# Allegro board T736_DEMO_CORE_AXP8191_LP4_4X_32X1_V0_5-draft.brd (continued)
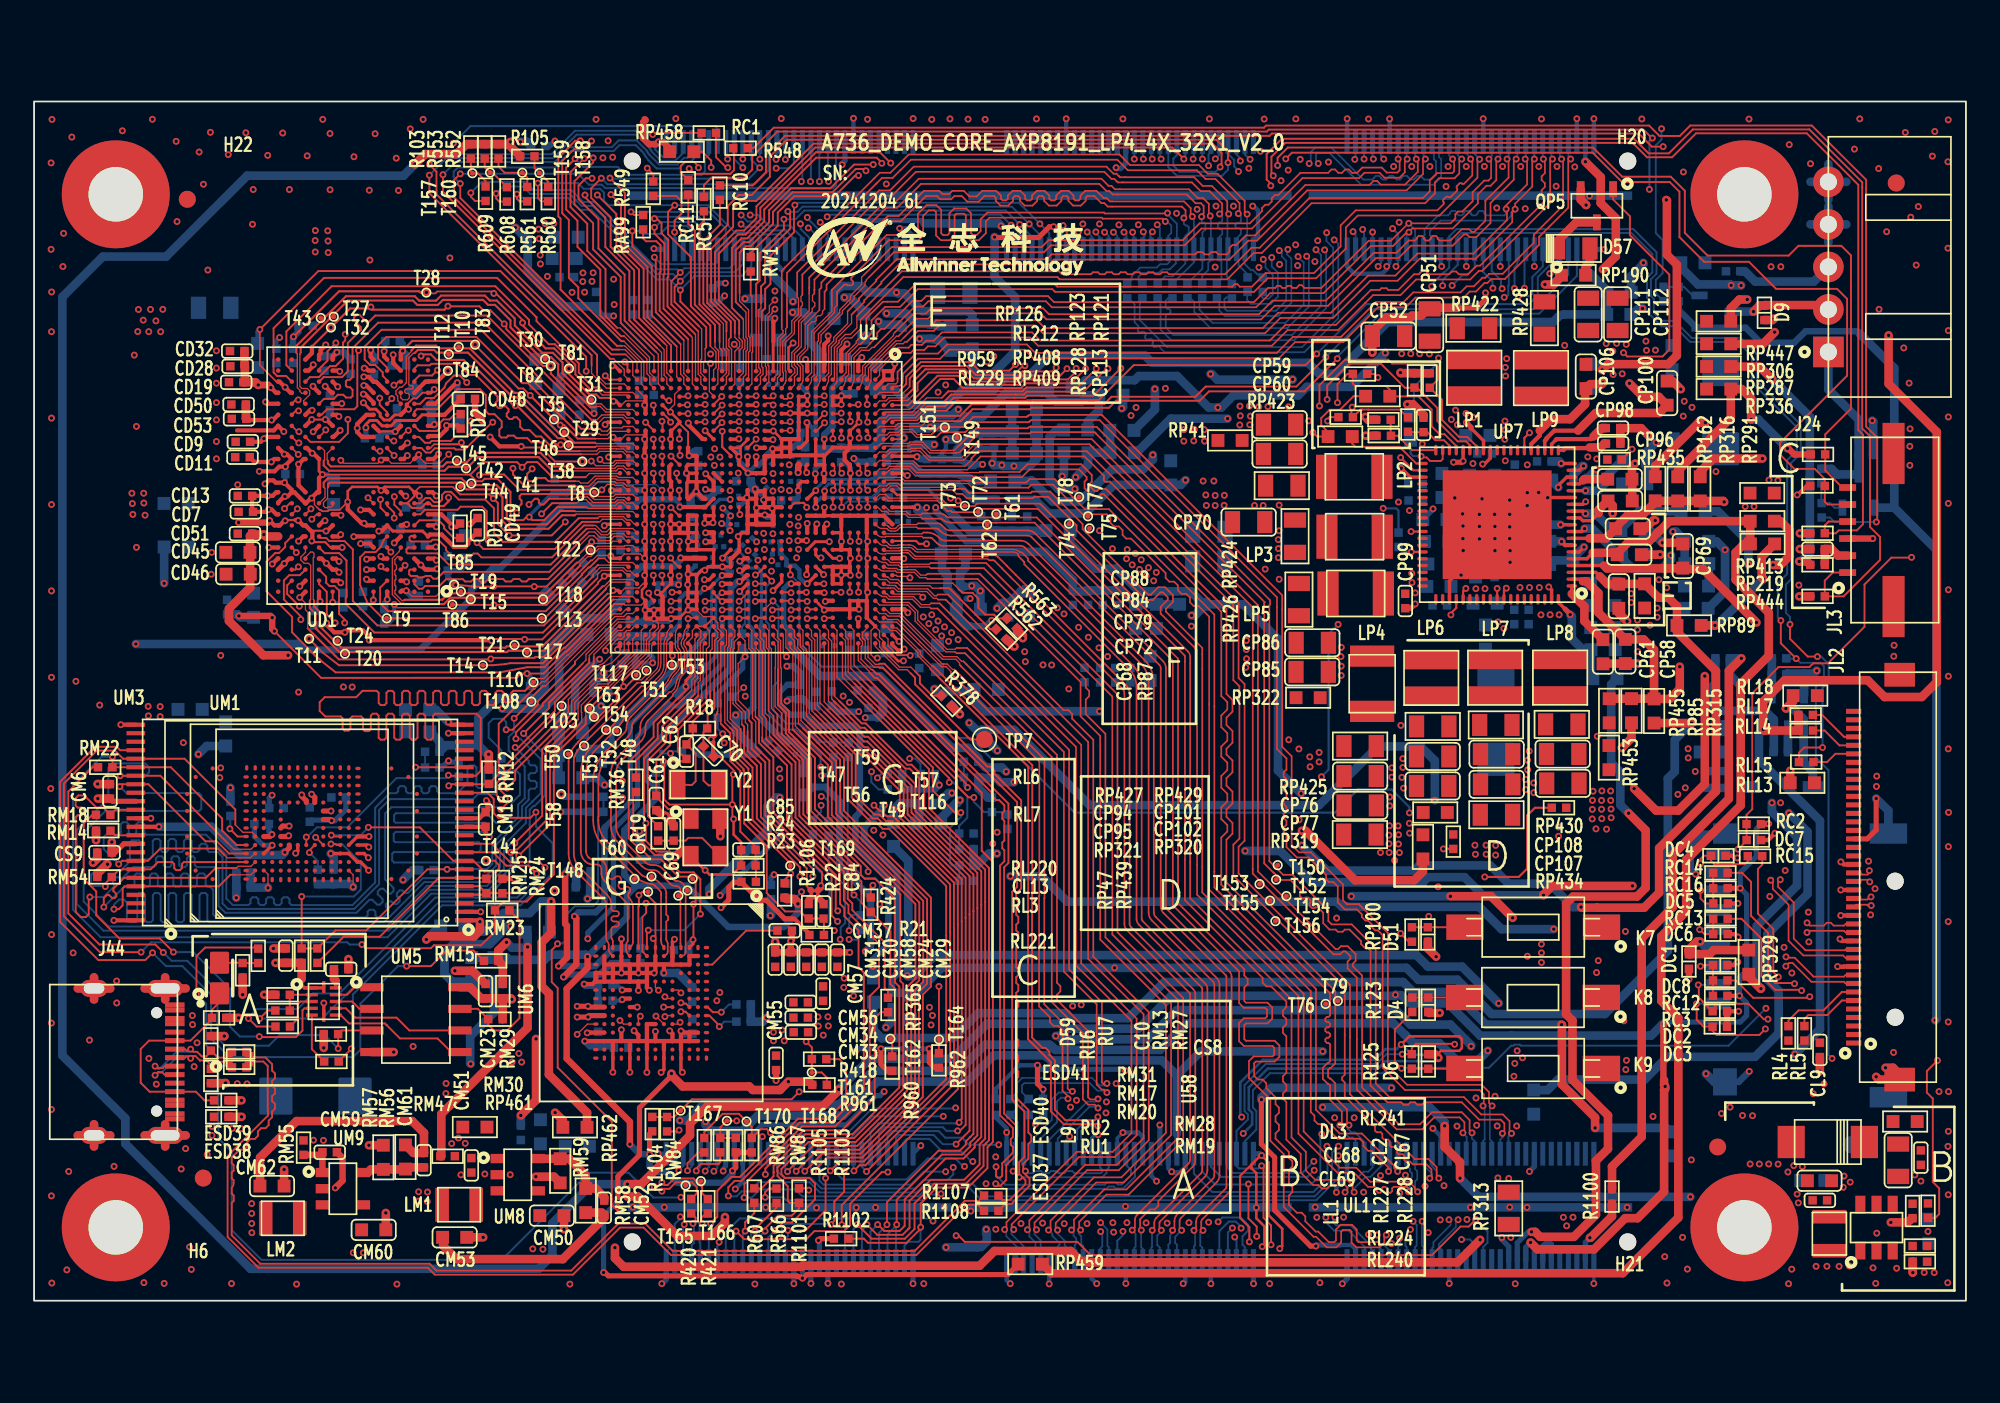
[diagram p0: board, top side]
## Routing (per net, layer and track width the routed paths; a pad name or vN(x,y) marks a point on that pad's centre or on a via; arc(x,y) is an arc through that point) (continued)
SDQ18: length 20.5
  TOP w0.114: v1(36.38,50.65) 36.42,50.61 U1.AJ10 ; v1(21.02,53.04) 21.02,53.01 UD1.V4
  L4 w0.114: v1(36.38,50.65) 35.9,51.12 35.59,51.12 34.2,52.51 33.87,52.51 33.44,52.94 32.78,52.94 31.01,54.71 31.01,54.82 30.11,55.72 23.65,55.72 22.71,54.77 22.03,54.77 21.79,54.53 21.33,54.53 20.78,53.99 20.78,53.2 20.94,53.04 v1(21.02,53.04)
SDQ19: length 16.4
  TOP w0.076: 32.13,49.76 33.07,49.76 33.24,49.93 34.16,49.93 34.17,49.92 34.58,49.92 34.86,49.65 U1.AM11
  TOP w0.114: UD1.U2 22.34,52.26 22.49,52.41 23.69,52.41 24.87,53.59 26.2,53.59 26.54,53.25 26.54,52.29 26.72,52.12 27.05,52.12 27.48,51.69 27.48,51.36 27.34,51.22 27.34,50.85 27.44,50.75 27.75,50.75 27.86,50.86 28.19,50.86 28.34,50.71 28.97,50.71 29.22,50.47 29.79,50.47 30.49,49.76 32.13,49.76 32.13,49.76
SDQ20: length 19.1
  TOP w0.076: U1.AM8 34.89,51.11 33.89,51.11 33.67,50.9 33.28,50.9 33.2,50.97 33.17,50.97
  TOP w0.114: 33.17,50.97 31.98,50.97 29.01,53.94 28.7,53.94 25.99,56.65 20.7,56.65 20.21,56.17 20.21,55.39 20.74,54.85 UD1.AA4
SDQ21: length 21.9
  TOP w0.076: U1.AL8 35.17,51.4 34.63,51.4 34.54,51.31 33.86,51.31 33.67,51.12 33.37,51.12 33.24,51.25
  TOP w0.114: UD1.Y4 20.74,54.11 20.49,54.36 20.49,54.57 20.05,55.01 19.74,55.01 19.42,55.33 19.42,56.09 20.41,57.08 26.26,57.08 29.04,54.3 29.1,54.3 32.15,51.25 33.24,51.25
SDQ22: length 17.9
  TOP w0.114: U1.AH10 36.92,50.61 v1(36.89,50.65) ; v1(23.7,54.71) 23.38,54.39 22.64,54.39 22.34,54.1 UD1.Y2
  L4 w0.076: v1(36.89,50.65) 36.57,50.33 35.74,50.33 35.41,50.65 35.41,50.77
  L4 w0.114: 35.41,50.77 34,52.19 33.54,52.19 33.19,52.53 32.59,52.53 30.72,54.41 30.33,54.41 29.44,55.3 24.29,55.3 v1(23.7,54.71)
SDQ23: length 22
  TOP w0.114: v1(20.31,53.06) 20.31,52.66 20.74,52.23 UD1.U4 ; U1.AJ8 36.42,51.15 v1(35.93,51.64)
  L4 w0.114: v1(35.93,51.64) 35.56,51.64 34.78,52.42 34.78,52.71 34.19,53.3 33.05,53.3 31.8,54.55 31.8,54.95 30.62,56.14 26.74,56.14 26.3,56.57 25.61,56.57 25.19,56.16 22.82,56.16 21.62,54.95 21.16,54.95 20.31,54.11 v1(20.31,53.06)
SDQ24: length 30.4
  TOP w0.114: v1(36.89,51.7) 36.92,51.67 U1.AH8 ; v1(15.52,52.96) 15.51,52.94 15.36,52.94 UD1.V11
  L4 w0.076: v1(36.89,51.7) 36.89,52.97 36.85,53.01 36.85,53.34 36.83,53.36
  L4 w0.114: v1(15.52,52.96) 15.52,55.85 17.66,57.99 21.4,57.99 21.75,58.34 23.49,58.34 24,58.85 29.34,58.85 31.97,58.22 32.42,58 35.13,55.29 35.13,55.06 35.83,54.36 36.83,53.36
SDQ25: length 25.2
  TOP w0.076: 32.97,51.54 33.1,51.54 33.48,51.92 34.58,51.92 34.86,51.65 U1.AM7
  TOP w0.114: 32.97,51.54 32.39,51.54 26.43,57.5 20.22,57.5 18.71,55.99 18.71,54.3 18.55,54.14 18.41,54.14 18.32,54.05 18.32,53.79 18.41,53.71 18.56,53.71 18.71,53.55 18.71,53.18 18.62,53.09 18.33,53.09 18.17,53.26 17.85,53.26 17.6,53.02 17.03,53.02 UD1.V9
SDQ26: length 25.4
  TOP w0.076: 32.97,51.79 33.07,51.79 33.36,52.07 34.64,52.07 34.82,51.9 35.17,51.9 U1.AL7
  TOP w0.114: 32.97,51.79 32.74,51.79 26.61,57.92 20.04,57.92 19.68,57.56 19.52,57.56 19.12,57.96 18.96,57.96 18.79,57.8 18.79,57.64 19.2,57.23 19.2,57.07 18.43,56.31 18.43,54.63 18.1,54.3 17.82,54.3 17.01,54.3 UD1.Y9
SDQ27: length 28.7
  TOP w0.114: v1(17.73,56.31) 17.24,55.81 17.24,55.27 16.74,54.77 UD1.AA9 ; U1.AF10 37.92,49.73 v1(37.95,49.7)
  L4 w0.076: 35.49,52.52 35.75,52.27 36.02,52.27 36.4,51.88 36.4,51.5 36.71,51.19 37.85,51.19 38.25,50.78 38.25,50.29 37.95,49.99 v1(37.95,49.7)
  L4 w0.114: 35.49,52.52 35.49,53.05 34.51,54.03 33.35,54.03 33.1,54.29 33.1,55.12 32.52,55.69 32.25,55.69 30.96,56.97 27.09,56.97 26.64,57.43 25.24,57.43 24.87,57.05 22.43,57.05 22.07,56.7 19.13,56.7 18.45,56.02 18.17,56.02 17.89,56.31 v1(17.73,56.31)
SDQ28: length 29.1
  TOP w0.114: U1.AF8 37.92,50.67 v1(37.91,50.66) ; UD1.U9 16.89,52.08 17.21,52.41 18.81,52.41 18.99,52.59 18.99,55.8 v1(19.06,55.87)
  L4 w0.076: v1(37.91,50.66) 37.59,50.98 36.63,50.98 36.25,51.36 36.25,51.78 35.99,52.04 35.61,52.04 35.44,52.21
  L4 w0.114: 35.44,52.21 35.13,52.52 35.13,52.9 34.39,53.64 33.23,53.64 32.8,54.07 32.8,54.82 32.58,55.04 32.3,55.04 30.79,56.56 26.92,56.56 26.48,56.99 25.44,56.99 25.02,56.57 22.59,56.57 22.28,56.26 19.46,56.26 v1(19.06,55.87)
SDQ29: length 26.8
  TOP w0.076: 33.16,53.47 33.38,53.25 34.83,53.25 U1.AM4
  TOP w0.114: UD1.AA11 14.82,55 14.82,56.98 17.48,59.64 27.1,59.64 29.08,57.66 29.08,57.39 30.24,56.23 30.59,56.23 31.8,55.02 31.8,54.46 32.79,53.47 33.16,53.47
SDQ30: length 30.9
  TOP w0.114: U1.AH6 36.97,52.15 37.4,51.72 v1(37.4,51.65) ; UD1.U11 15.38,52.31 v1(15.54,52.31)
  L4 w0.076: v1(37.4,51.65) 37.11,51.36 36.77,51.36 36.57,51.56 36.57,51.95 36.7,52.07 36.7,52.52 36.7,52.78 36.68,52.8 36.68,52.83 36.2,53.31
  L4 w0.114: 36.2,53.31 35.2,54.31 35.19,54.31 34.98,54.52 34.37,55.02 34.32,55.06 34.32,55.11 33.18,56.26 31.32,57.81 29.56,57.81 29.09,58.29 24.89,58.29 24.5,57.89 22,57.89 21.68,57.57 18.44,57.57 18.43,57.56 18.37,57.56 17.39,56.58 16.99,56.58 16.61,56.19 15.94,54.93 15.94,52.78 15.93,52.78 15.93,52.71 v1(15.54,52.31)
SDQ31: length 29.8
  TOP w0.076: U1.AL4 35.17,53.4 33.52,53.4 33.23,53.69
  TOP w0.114: 33.23,53.69 32.88,53.69 32,54.57 32,55.11 29.52,57.59 29.52,57.82 27.21,60.13 17.03,60.13 14.07,57.17 14.07,54.57 14.28,54.36 14.81,54.36 UD1.Y11
SDQM0: length 28.1
  TOP w0.114: U1.AJ26 36.42,42.61 v1(36.38,42.65) ; UD1.C10 15.62,42.66 14.99,42.66 14.68,42.34 14.68,41.23 15.67,40.23 v1(15.67,40.04)
  L4 w0.076: v1(36.38,42.65) 36.05,42.32 35.83,42.32 35.82,42.31
  L4 w0.114: 35.82,42.31 33.21,39.71 31.97,39.71 30.6,38.35 26.83,38.35 26.72,38.46 20.67,38.46 20.26,38.05 19.11,38.05 17.89,38.52 17.08,38.78 15.91,39.95 15.77,39.95 v1(15.67,40.04)
SDQM1: length 17.9
  TOP w0.102: UD1.C3 v1(21.8,43.23)
  TOP w0.114: v1(36.89,44.65) 36.92,44.61 U1.AH22
  L4 w0.076: 35.31,44.18 36.42,44.18 v1(36.89,44.65)
  L4 w0.114: 35.31,44.18 34.13,42.99 33.35,42.99 32.46,42.1 30.37,42.1 29.89,41.62 23.41,41.62 v1(21.8,43.23)
SDQM2: length 20.1
  TOP w0.114: v1(37.42,49.65) 37.92,49.15 U1.AF12 ; v1(21.14,53.83) 21.21,53.83 21.42,54.03 UD1.Y3
  L4 w0.076: 35.49,50.26 35.59,50.16 36.91,50.16 v1(37.42,49.65)
  L4 w0.114: 35.49,50.26 33.86,51.89 33.22,51.89 33.02,51.68 32.85,51.68 30.55,53.99 30.15,53.99 29.44,54.7 26.71,54.7 26.56,54.55 24.72,54.55 24.28,54.11 22.02,54.11 21.74,53.83 v1(21.14,53.83)
SDQM3: length 25.7
  TOP w0.114: UD1.Y10 16.21,54.3 16.74,54.3 17.39,54.95 17.72,54.95 18.15,55.38 18.15,56.33 18.28,56.46 v1(18.28,56.82) ; v1(36.38,52.65) 36.42,52.61 U1.AJ6
  L4 w0.114: v1(18.28,56.82) 18.62,57.15 21.85,57.15 22.17,57.47 24.67,57.47 25.07,57.87 28.92,57.87 29.39,57.39 31.14,57.39 32.38,56.15 32.65,56.15 33.54,55.26 33.54,54.87 34.04,54.37 34.66,54.37 v1(36.38,52.65)
SDQS0N: length 26.3
  TOP w0.076: UD1.E10 15.94,43.99 15.68,43.72 15.68,43.55 15.87,43.36 16.12,43.36 16.25,43.22 16.25,41.23 16.2,41.17 16.2,41.16 ; 33.59,41.83 33.6,41.83 33.6,41.9 33.95,42.25 34.83,42.25 U1.AM26
  TOP w0.127: 33.59,41.83 29.98,38.21 28.96,38.21 ; 16.2,41.16 16.2,40.72 16.54,40.38 16.54,39.53 17.94,38.14 18.27,38.14 ; 18.27,38.14 T20.1 ; 18.27,38.14 27.8,38.14 27.87,38.21 28.96,38.21 ; 28.96,38.21 T17.1
SDQS0P: length 26.3
  TOP w0.076: 16.45,41.16 16.45,41.17 16.4,41.23 16.4,43.67 16.44,43.71 16.44,43.94 16.37,44.01 16.25,44.01 15.94,43.71 UD1.D10 ; U1.AL26 35.17,42.4 33.89,42.4 33.67,42.18 33.49,42.01 33.41,42.01
  TOP w0.127: T21.1 28.23,38.47 ; 28.23,38.47 29.87,38.47 33.41,42.01 ; 28.23,38.47 28.22,38.47 27.77,38.47 27.69,38.39 18.04,38.39 17.74,38.7 ; 16.45,41.16 16.45,40.82 16.8,40.48 16.8,39.64 17.74,38.7 ; 17.74,38.7 T24.1
SDQS1N: length 18.7
  TOP w0.076: 32.07,43.21 32.08,43.22 32.08,43.29 32.54,43.75 32.72,43.75 33.17,44.2 34.87,44.2 U1.AM22 ; UD1.E3 21.44,44.04 21.05,43.64 21.05,41.51 21.56,41 21.71,41 21.76,40.95 21.77,40.95
  TOP w0.127: 25.66,41.33 25.66,41.33 29.9,41.33 ; 25.66,41.33 24.46,41.33 24.08,40.95 21.77,40.95 ; 25.66,41.33 T15.1 ; 29.9,41.33 T18.1 ; 29.9,41.33 30.19,41.33 31.64,42.78 32.07,43.21
SDQS1P: length 18.7
  TOP w0.076: 32.78,44.05 T22.1 ; 32.78,44.05 32.8,44.05 33.1,44.35 34.68,44.35 34.73,44.4 35.17,44.4 U1.AL22 ; 32.78,44.05 32.78,44.03 32.65,43.9 32.48,43.9 31.97,43.4 31.9,43.4 31.89,43.39 ; 21.77,41.21 21.75,41.21 21.77,41.19 21.73,41.16 21.62,41.16 21.2,41.58 21.2,41.75 21.25,41.79 21.25,42.01 21.2,42.06 21.2,42.35 21.26,42.4 21.26,42.62 21.2,42.67 21.2,42.92 21.29,43.01 21.29,43.23 21.2,43.32 21.2,43.58 21.37,43.74 21.43,43.74 UD1.D3
  TOP w0.127: T19.1 25.08,41.58 ; 25.08,41.58 24.36,41.58 23.98,41.21 21.77,41.21 ; 25.08,41.58 25.55,41.58 25.56,41.58 30.09,41.58 31.89,43.39
SDQS2N: length 19.8
  TOP w0.076: 32.97,50.44 33.02,50.39 34.81,50.39 34.82,50.4 35.03,50.4 35.04,50.39 35.18,50.39 U1.AL10 ; UD1.V3 21.37,52.91 21.37,53.19 21.26,53.29 21.26,53.49 21.49,53.71 21.62,53.71 21.87,53.97 21.87,55.51 22.17,55.8 22.17,55.88 22.18,55.89
  TOP w0.127: 22.18,55.89 22.44,56.15 23.61,56.15 23.77,55.99 24.95,55.99 ; 31.15,50.96 31.22,50.96 31.57,50.6 31.57,50.6 31.74,50.44 32.97,50.44 ; 31.15,50.96 30.88,50.96 28.47,53.37 28.22,53.37 25.6,55.99 24.95,55.99 ; 31.15,50.96 T29.1 ; T10.1 24.95,55.99
SDQS2P: length 19.8
  TOP w0.076: U1.AM10 34.83,50.24 33.03,50.24 32.98,50.19 32.97,50.19 ; 22.36,55.71 22.35,55.7 22.28,55.7 22.02,55.44 22.02,53.85 22.07,53.8 22.22,53.8 22.27,53.76 22.27,53.65 22.22,53.6 21.86,53.6 21.78,53.53 21.78,53.43 21.86,53.35 21.97,53.35 22.05,53.27 22.05,53.08 21.94,52.97 21.66,52.97 21.54,53.08 UD1.W3
  TOP w0.127: 31.47,50.35 31.11,50.71 30.78,50.71 28.37,53.12 28.33,53.12 28.11,53.12 25.49,55.74 24.36,55.74 ; 31.47,50.35 T46.1 ; 31.47,50.35 31.63,50.19 32.97,50.19 ; 24.36,55.74 23.67,55.74 23.51,55.89 22.55,55.89 22.36,55.71 ; 24.36,55.74 T12.1
SDQS3N: length 28.2
  TOP w0.076: 32.97,52.53 32.99,52.53 33.03,52.58 33.26,52.58 33.59,52.25 34.83,52.25 U1.AM6 ; 15.66,55.74 15.66,55.73 15.64,55.7 15.64,55.64 15.62,55.62 15.62,53.74 15.73,53.63 16.05,53.63 16.19,53.48 16.19,53.26 15.84,52.91 15.84,52.78 15.89,52.73 UD1.V10
  TOP w0.127: T27.1 17.55,57.91 ; 17.55,57.91 15.66,56.03 15.66,55.74 ; 17.55,57.91 18.43,58.8 22.26,58.8 22.52,58.54 23.72,58.54 24.02,58.84 26.38,58.84 26.67,58.54 27.08,58.54 27.99,57.64 27.99,57.22 29.75,55.47 30.03,55.47 ; 30.03,55.47 30.37,55.47 30.79,55.05 30.79,54.42 32.69,52.53 32.97,52.53 ; 30.03,55.47 T30.1
SDQS3P: length 28.3
  TOP w0.076: U1.AL6 35.17,52.4 33.65,52.4 33.32,52.73 33.03,52.73 32.98,52.78 32.97,52.78 ; UD1.W10 15.9,53.34 15.73,53.34 15.62,53.45 15.62,53.52 15.47,53.68 15.47,55.66 15.41,55.72 15.41,55.74
  TOP w0.127: 32.67,52.9 31.05,54.53 31.05,55.16 30.48,55.72 29.85,55.72 28.25,57.33 28.25,57.74 27.19,58.8 26.78,58.8 26.49,59.09 23.92,59.09 23.62,58.79 22.63,58.79 22.37,59.05 18.33,59.05 16.95,57.67 16.95,57.67 ; 32.67,52.9 32.79,52.78 32.97,52.78 ; 32.67,52.9 T31.1 ; 16.95,57.67 T43.1 ; 16.95,57.67 16.95,57.67 15.41,56.14 15.41,55.74
SPI0-CLK: length 25
  TOP w0.114: RM18.1 3.44,28.57 2.92,28.05 2.92,24.79 3.65,24.06 3.65,22.66 5.01,21.3 7.39,21.3 v1(8.19,20.5) ; v1(13.24,15.53) 13.26,15.5 15.39,15.5 15.77,15.88 15.77,17.08 15.88,17.19 U58.4
  BOTTOM w0.114: v1(8.19,20.5) 9.36,20.5 11.52,18.33 11.52,16.1 12.09,15.53 v1(13.24,15.53)
SPI0-CS0: length 2.2
  TOP w0.114: RM17.1 RM31.1 15.03,17.99 U58.2
SPI0-HOLD: length 11.1
  TOP w0.114: RM23.1 28.52,22.36 28.52,16.61 27.8,15.89 27.02,15.89 26.68,16.22 RM30.1 26.07,17.16 UM5.7
SPI0-MISO: length 2.4
  TOP w0.114: RM20.1 15.48,16.56 15.48,17.42 15.65,17.59 U58.3
SPI0-MOSI: length 3
  TOP w0.114: RM19.1 16.32,14.79 U58.5
SPI0-NAND-CLK: length 7.8
  TOP w0.114: UM5.6 22.05,15.89 21.3,16.64 18.87,16.64 18.32,17.19 U58.8
SPI0-NAND-CS0: length 2.3
  TOP w0.114: U58.10 18.39,17.99 18.83,18.43 UM5.1
SPI0-NAND-MISO: length 2.3
  TOP w0.114: U58.9 18.69,17.59 19.12,17.16 UM5.2
SPI0-NAND-MOSI: length 8.2
  TOP w0.114: UM5.5 24.51,14.62 23.71,15.42 21.5,15.42 20.72,16.2 20.72,16.2 20.62,16.3 18.51,16.3 18.02,16.79 U58.7
SPI0-WP: length 33.7
  TOP w0.114: v1(7.59,20.47) 7.12,20.94 3.84,20.94 2.01,22.77 2.01,29.93 3.44,31.36 RM22.1 ; v1(17.87,14.83) RM28.1 18.08,15.89 UM5.3
  BOTTOM w0.114: v1(7.59,20.47) 8.09,19.98 9.01,19.98 10.78,18.21 10.78,15.43 11.22,14.99 13.8,14.99 14.43,15.62 17.08,15.62 v1(17.87,14.83)
SRST: length 24.2
  TOP w0.076: 32.65,47.67 33.14,48.16 34.12,48.16 34.21,48.07 34.64,48.07 34.82,47.9 35.17,47.9 U1.AL15
  TOP w0.102: v1(15.56,51.09) 15.49,51.09 UD1.T11
  TOP w0.114: v1(26.17,48.54) 26.21,48.57 27.61,48.57 28.52,47.67 32.65,47.67
  L4 w0.114: v1(15.56,51.09) 15.13,50.66 15.13,49.05 15.37,48.81 16.24,48.81 16.37,48.94 25.12,48.94 25.52,48.54 v1(26.17,48.54)
SWOUT1: length 62.6
  TOP w0.203: v1(83.96,49.36) 83.96,49.36 UP7.34
  TOP w0.305: v1(83.96,49.36) 83.93,49.36 83.86,49.29 v1(83.4,49.29)
  TOP w0.508: v1(89.74,16.23) 89.76,16.21 89.76,12.72 91.71,10.77 v1(91.71,10.16)
  BOTTOM w0.508: v1(63.9,52.46) 63.98,52.54 RP339.1 ; RP308.1 95.89,10.16 v1(91.71,10.16) ; v1(100.29,59.69) 100.28,59.7 v1(99.71,59.7) 99.66,59.75 97.76,59.75 96.77,60.73 RP305.1 ; RP337.1 49.32,15.9 49.79,15.43 50.3,15.43 50.31,15.45 54,15.45 55.46,16.91 60.62,16.91 60.91,16.62 64.28,16.62 66.4,18.73 80.43,18.73 81.02,18.15 83.38,18.15 85.3,16.23 v1(89.74,16.23)
  vias: v1(53.11,53.41) v1(53.56,53.84) v1(96.95,52.88) v1(97.4,52.52) v1(100.37,10.89) v1(100.96,10.88)
SWOUT2: length 1.1
  TOP w0.203: v1(85.11,49.19) 85.21,49.19 85.56,49.53 UP7.30
  vias: v1(56,55.19) v1(56.38,55.52) v1(84.54,49.22) v1(86,7.22) v1(86.64,7.19) v1(95.46,42.38) v1(95.92,41.92)
UFS-CLK-AP: length 2.3
  TOP w0.076: U1.AJ33 36.28,38.51 36.28,37.89 35.93,37.53 35.93,37.53 35.69,37.29 T117.1
UFS-CLK-DV: length 14.1
  TOP w0.114: v1(39.14,22.73) 39.15,22.74 39.15,24.78 38.75,25.19 37.94,25.19 37.08,26.05 37.08,26.05 36.93,26.2 36.47,26.2 35.67,27 35.65,27 35.2,27.45 35.2,29.74 RM36.2 ; UM6.H1 36.01,21.7 v1(36.09,21.78)
  BOTTOM w0.114: v1(39.14,22.73) 38.19,21.78 v1(36.09,21.78)
UFS-REXT: length 8.9
  TOP w0.114: U1.AD30 38.47,40.15 v1(38.42,40.1)
  BOTTOM w0.114: RM3.2 33.73,36.36 33.92,36.55 33.92,38.52 34.03,38.62 37.63,38.62 38.42,39.41 v1(38.42,40.1)
UFS-RST-N: length 34.5
  TOP w0.102: v1(35.95,23.37) 35.96,23.36 35.96,22.79 35.74,22.57 35.74,20.52 UM6.H2
  TOP w0.114: U1.AF29 37.47,40.65 v1(37.42,40.61)
  L4 w0.114: v1(35.95,23.37) 34.31,23.37 33.5,24.19 31.2,24.19 30.81,24.58 30.81,25.76 33.03,27.98 33.03,33.12 35.56,35.65 35.56,38.06 37.08,39.58 37.08,40.27 v1(37.42,40.61)
  BOTTOM w0.114: RM41.2 37.58,20.13 37.3,19.85 RM37.1 35.62,19.85 RM38.1 35.62,22.45 35.96,22.79 35.96,23.38 T120.1 v1(35.95,23.37)
UFS-RX0-N: length 22.9
  TOP w0.076: 36.05,35.7 36.07,35.71 36.07,35.79 arc(36.08,35.83) 36.1,35.87 36.84,36.61 arc(37.08,36.96) 37.16,37.38 37.16,38.66 37.22,38.83 37.24,38.86 37.35,38.97 arc(37.4,39.05) U1.AG32
  TOP w0.102: 34.17,33.57 34.24,33.64 arc(34.4,33.82) 34.53,34.02 34.61,34.15 arc(34.72,34.33) 34.85,34.49 arc(34.85,34.5) 34.86,34.5 36.05,35.7 ; 34.17,33.57 33.98,33.38 33.98,33.37 33.01,32.4 arc(32.58,31.76) 32.43,31 32.43,26.44 arc(32.46,26.24) 32.57,26.07 32.58,26.06 arc(32.71,25.98) 32.85,25.95 33.09,25.95 arc(33.29,25.91) 33.46,25.79 arc(33.59,25.6) 33.64,25.36 33.64,25.12 arc(33.66,25.02) 33.71,24.93 33.8,24.84 arc(33.93,24.78) 34.07,24.82 arc(34.11,24.86) 34.14,24.9 arc(34.44,24.9) 34.44,24.6 arc(34.39,24.56) 34.35,24.5 arc(34.4,24.25) 34.66,24.27 34.68,24.28 arc(34.97,24.28) 34.97,24 34.95,23.98 arc(34.89,23.84) 34.95,23.69 arc(35.12,23.43) 35.18,23.13 35.18,21.1 arc(35.16,20.95) 35.08,20.83 UM6.K1 ; 34.17,33.57 34.17,33.57 ; 34.17,33.57 34.17,33.57 ; T48.1 34.17,33.57
UFS-RX0-P: length 22.9
  TOP w0.076: U1.AG31 37.19,39.29 37.17,39.25 37.17,39.25 37.17,39.09 37.14,39.01 37.1,38.97 37.01,38.68 37.01,37.38 arc(36.94,37.02) 36.73,36.72 35.96,35.95 arc(35.94,35.93) 35.91,35.92 35.85,35.92 35.84,35.91
  TOP w0.102: UM6.K2 34.92,20.35 arc(34.81,20.51) 34.78,20.69 34.78,20.88 arc(34.79,20.96) 34.82,21.04 arc(34.86,21.09) 34.88,21.15 arc(34.88,21.17) 34.88,21.19 34.88,23.13 arc(34.84,23.32) 34.74,23.48 33.5,24.72 arc(33.37,24.9) 33.33,25.11 33.33,25.36 arc(33.31,25.48) 33.24,25.58 arc(33.17,25.63) 33.09,25.64 32.85,25.64 arc(32.59,25.69) 32.37,25.84 arc(32.19,26.12) 32.12,26.44 32.12,31 arc(32.3,31.88) 32.79,32.62 33.67,33.5 33.67,33.51 ; 35.84,35.91 34.66,34.73 arc(34.64,34.71) 34.62,34.69 arc(34.47,34.5) 34.34,34.3 34.27,34.18 arc(34.16,34.01) 34.02,33.86 33.67,33.51 33.67,33.51 ; 33.67,33.51 T52.1
UFS-RX1-N: length 22.8
  TOP w0.076: 35.67,36.13 35.8,36.13 36.7,37.03 arc(36.71,37.04) 36.71,37.05 arc(36.8,37.27) 36.83,37.5 36.83,38.91 arc(36.85,39.04) U1.AH32
  TOP w0.102: 35.67,36.13 32.25,32.7 32.25,32.69 ; 32.25,32.69 32.24,32.68 32.08,32.51 arc(31.89,32.28) 31.76,32.01 31.76,32 arc(31.76,32) 31.76,32 arc(31.75,31.98) 31.74,31.96 31.74,31.96 arc(31.72,31.83) 31.71,31.69 31.71,26.3 arc(31.8,25.85) 32.06,25.47 33.68,23.84 arc(33.85,23.58) 33.91,23.28 33.91,23.06 arc(33.96,22.95) 34.07,22.9 34.21,22.9 arc(34.37,22.75) 34.21,22.6 34.07,22.6 arc(33.91,22.45) 34.07,22.29 34.21,22.29 arc(34.37,22.14) 34.21,21.99 34.07,21.99 arc(33.96,21.95) 33.91,21.84 33.91,21.35 arc(33.92,21.32) 33.93,21.29 arc(33.94,21.27) 33.95,21.26 arc(33.99,21.2) 34.01,21.13 UM6.M1 ; 32.25,32.69 T55.1
UFS-RX1-P: length 22.8
  TOP w0.076: U1.AH31 36.93,39.62 36.85,39.51 36.79,39.44 36.72,39.34 36.67,39.19 36.67,37.5 arc(36.65,37.31) 36.58,37.13 36.02,36.57 36.02,36.57 36.02,36.56 35.78,36.32 35.44,36.32
  TOP w0.102: 31.47,32.1 T50.1 ; 31.47,32.1 31.47,32.11 31.47,32.11 arc(31.63,32.44) 31.86,32.73 31.94,32.81 31.94,32.83 35.44,36.32 ; 31.47,32.1 31.46,32.09 arc(31.46,32.07) 31.45,32.05 31.45,32.04 arc(31.42,31.87) 31.41,31.69 31.41,26.3 arc(31.52,25.73) 31.84,25.25 33.47,23.63 arc(33.57,23.47) 33.61,23.28 33.61,21.35 arc(33.62,21.24) 33.67,21.14 arc(33.74,21.03) 33.76,20.91 33.76,20.68 arc(33.79,20.52) 33.88,20.39 UM6.M2
UFS-TX0-N: length 22.9
  TOP w0.076: 37.09,35.93 37.1,35.94 37.1,36.05 37.18,36.12 arc(37.18,36.13) 37.19,36.14 37.38,36.39 37.41,36.45 arc(37.53,36.67) 37.69,36.86 37.74,36.91 arc(37.94,37.21) 38.01,37.56 38.01,38.04 arc(37.97,38.21) 37.88,38.34 arc(37.84,38.4) 37.83,38.47 37.83,38.91 arc(37.83,38.95) 37.84,38.99 arc(37.85,39.03) 37.86,39.06 arc(37.89,39.11) U1.AF32
  TOP w0.102: T59.1 36.24,24.8 ; 36.24,24.8 36.24,24.8 arc(36.48,24.76) 36.69,24.62 37,24.31 arc(37.1,24.15) 37.14,23.96 37.14,23.72 37.14,23.72 37.14,22.7 37.25,22.59 37.25,22.39 37.14,22.29 37.14,21.27 arc(37.14,21.25) 37.14,21.24 arc(37.15,21.19) 37.17,21.14 arc(37.22,21.07) 37.23,21 37.23,20.53 arc(37.21,20.44) 37.16,20.37 37.06,20.26 UM6.F2 ; 36.24,24.8 arc(36.19,24.81) 36.15,24.82 35.79,24.96 arc(35.74,24.99) 35.69,25.03 34.13,26.59 33.63,27 33.46,27.22 arc(33.41,27.3) 33.36,27.37 arc(33.21,27.8) 33.15,28.24 33.15,28.24 33.15,30.61 33.16,30.63 arc(33.16,30.64) 33.16,30.65 33.16,30.74 arc(33.36,31.45) 33.78,32.05 34.9,33.17 arc(35.06,33.41) 35.11,33.69 35.12,33.69 arc(35.16,33.93) 35.3,34.14 37.09,35.93
UFS-TX0-P: length 23
  TOP w0.076: 36.88,36.14 36.89,36.16 37,36.16 37.06,36.23 arc(37.07,36.23) 37.07,36.23 37.25,36.47 37.27,36.51 arc(37.4,36.75) 37.58,36.97 37.63,37.02 arc(37.79,37.27) 37.85,37.56 37.85,38.04 arc(37.83,38.15) 37.77,38.24 arc(37.7,38.35) 37.67,38.47 37.67,39.16 arc(37.72,39.38) 37.85,39.57 U1.AF31
  TOP w0.102: 35.37,24.89 35.4,24.89 35.47,24.81 arc(35.57,24.74) 35.68,24.68 36.04,24.54 arc(36.14,24.51) 36.24,24.5 36.24,24.5 arc(36.37,24.47) 36.48,24.4 36.78,24.1 arc(36.82,24.03) 36.84,23.96 36.84,23.85 36.84,23.84 36.84,23.84 36.84,21.27 36.84,21.17 arc(36.88,20.95) UM6.F1 ; 35.37,24.89 35.37,24.92 33.93,26.36 33.41,26.79 33.22,27.03 arc(33.15,27.13) 33.09,27.23 arc(32.91,27.72) 32.85,28.24 32.85,30.63 32.85,30.66 arc(32.85,30.67) 32.85,30.67 32.86,30.77 arc(33.08,31.58) 33.56,32.27 34.68,33.38 arc(34.78,33.53) 34.81,33.69 arc(34.88,34.05) 35.08,34.35 36.88,36.14 ; 35.37,24.89 T47.1
UFS-TX1-N: length 22.9
  TOP w0.076: 37.52,35.55 37.53,35.57 37.53,35.67 37.71,35.85 arc(37.78,35.97) 37.83,36.1 37.93,36.47 arc(37.99,36.63) 38.1,36.77 38.16,36.84 arc(38.31,37.06) 38.37,37.33 38.37,38.09 arc(38.34,38.25) 38.28,38.41 arc(38.27,38.43) 38.24,38.46 arc(38.19,38.53) 38.17,38.62 38.17,38.67 arc(38.19,38.74) 38.23,38.8 arc(38.32,38.91) 38.38,39.04 arc(38.4,39.07) 38.41,39.1 arc(38.42,39.12) U1.AE32
  TOP w0.102: T116.1 38.28,24.12 ; 38.28,24.12 38.28,20.51 arc(38.21,20.33) 38.04,20.26 UM6.D2 ; 38.28,24.12 38.28,24.14 arc(38.12,24.52) 37.75,24.68 37.72,24.68 arc(37.65,24.69) 37.59,24.73 36.91,25.41 arc(36.69,25.56) 36.42,25.62 36.27,25.62 arc(36.09,25.65) 35.93,25.76 34.47,27.22 arc(34.27,27.52) 34.2,27.88 34.2,31.02 arc(34.27,31.4) 34.49,31.72 35.65,32.89 arc(35.85,33.19) 35.92,33.53 35.92,33.73 arc(35.96,33.94) 36.08,34.11 37.52,35.55
UFS-TX1-P: length 22.9
  TOP w0.076: U1.AE31 38.35,39.57 arc(38.22,39.38) 38.17,39.15 38.17,39.13 arc(38.16,39.02) 38.12,38.91 arc(38.12,38.91) 38.12,38.91 arc(38.05,38.8) 38.02,38.67 38.02,38.62 arc(38.05,38.47) 38.14,38.35 38.15,38.33 arc(38.2,38.22) 38.21,38.09 38.21,37.33 arc(38.17,37.12) 38.05,36.95 37.99,36.88 arc(37.86,36.71) 37.78,36.51 37.68,36.14 arc(37.64,36.04) 37.59,35.95 37.42,35.78 37.32,35.78 37.3,35.77
  TOP w0.102: 37.98,23.81 37.98,21 arc(37.98,20.94) 37.98,20.88 arc(37.99,20.82) UM6.D1 ; 37.98,23.81 37.98,24.14 arc(37.91,24.31) 37.75,24.37 37.73,24.37 arc(37.54,24.41) 37.38,24.52 36.7,25.2 arc(36.57,25.28) 36.42,25.31 36.27,25.31 arc(35.97,25.37) 35.72,25.54 34.25,27.01 arc(33.99,27.41) 33.89,27.88 33.89,31.02 arc(33.99,31.52) 34.27,31.94 35.44,33.11 arc(35.57,33.3) 35.62,33.53 35.62,33.73 arc(35.68,34.05) 35.87,34.33 37.3,35.77 ; 37.98,23.81 T49.1
UFS-VCCQ:
  vias: v1(47.59,18.96) v1(47.57,18.42) v1(48.15,17.92) v1(48.22,18.49)
UFS-VCCQ2: length 3.3
  TOP w0.254: v1(34.55,18.26) UM6.K6 ; UM6.K7 34.61,17.76 v1(34.55,17.7)
  TOP w0.508: v1(30.61,11.06) 31.07,10.6 RP462.2
  BOTTOM w0.254: CM54.1 34.26,18.56 v1(34.55,18.26) ; v1(34.55,17.7) 34.49,17.64 CM32.1
  vias: v1(40.11,17.64) v1(40.29,18.12) v1(43.44,15.79) v1(43.44,15.28) v1(43.95,15.91) v1(44.07,15.28)
USB0-DM: length 46.3
  TOP w0.076: 49.67,37.21 49.63,37.24 49.36,37.24 48.83,37.77 48.83,38.81 48.67,38.97 48.67,39.27 48.92,39.52 U1.D31
  TOP w0.112: R1107.1 56.66,6.15 56.87,5.93 57.32,5.93 58.25,6.85 58.25,7.09 58.07,7.26 57.88,7.26 v1(57.88,7.26) 57.88,8.15 58.18,8.45 58.18,11.12 57.46,11.83 57.46,24.05 57.75,24.34 57.75,29.32 49.86,37.21 49.67,37.21